# Altium PCB Tigershark 3D R2.1.PcbDoc (part 3 of 4) (continued)
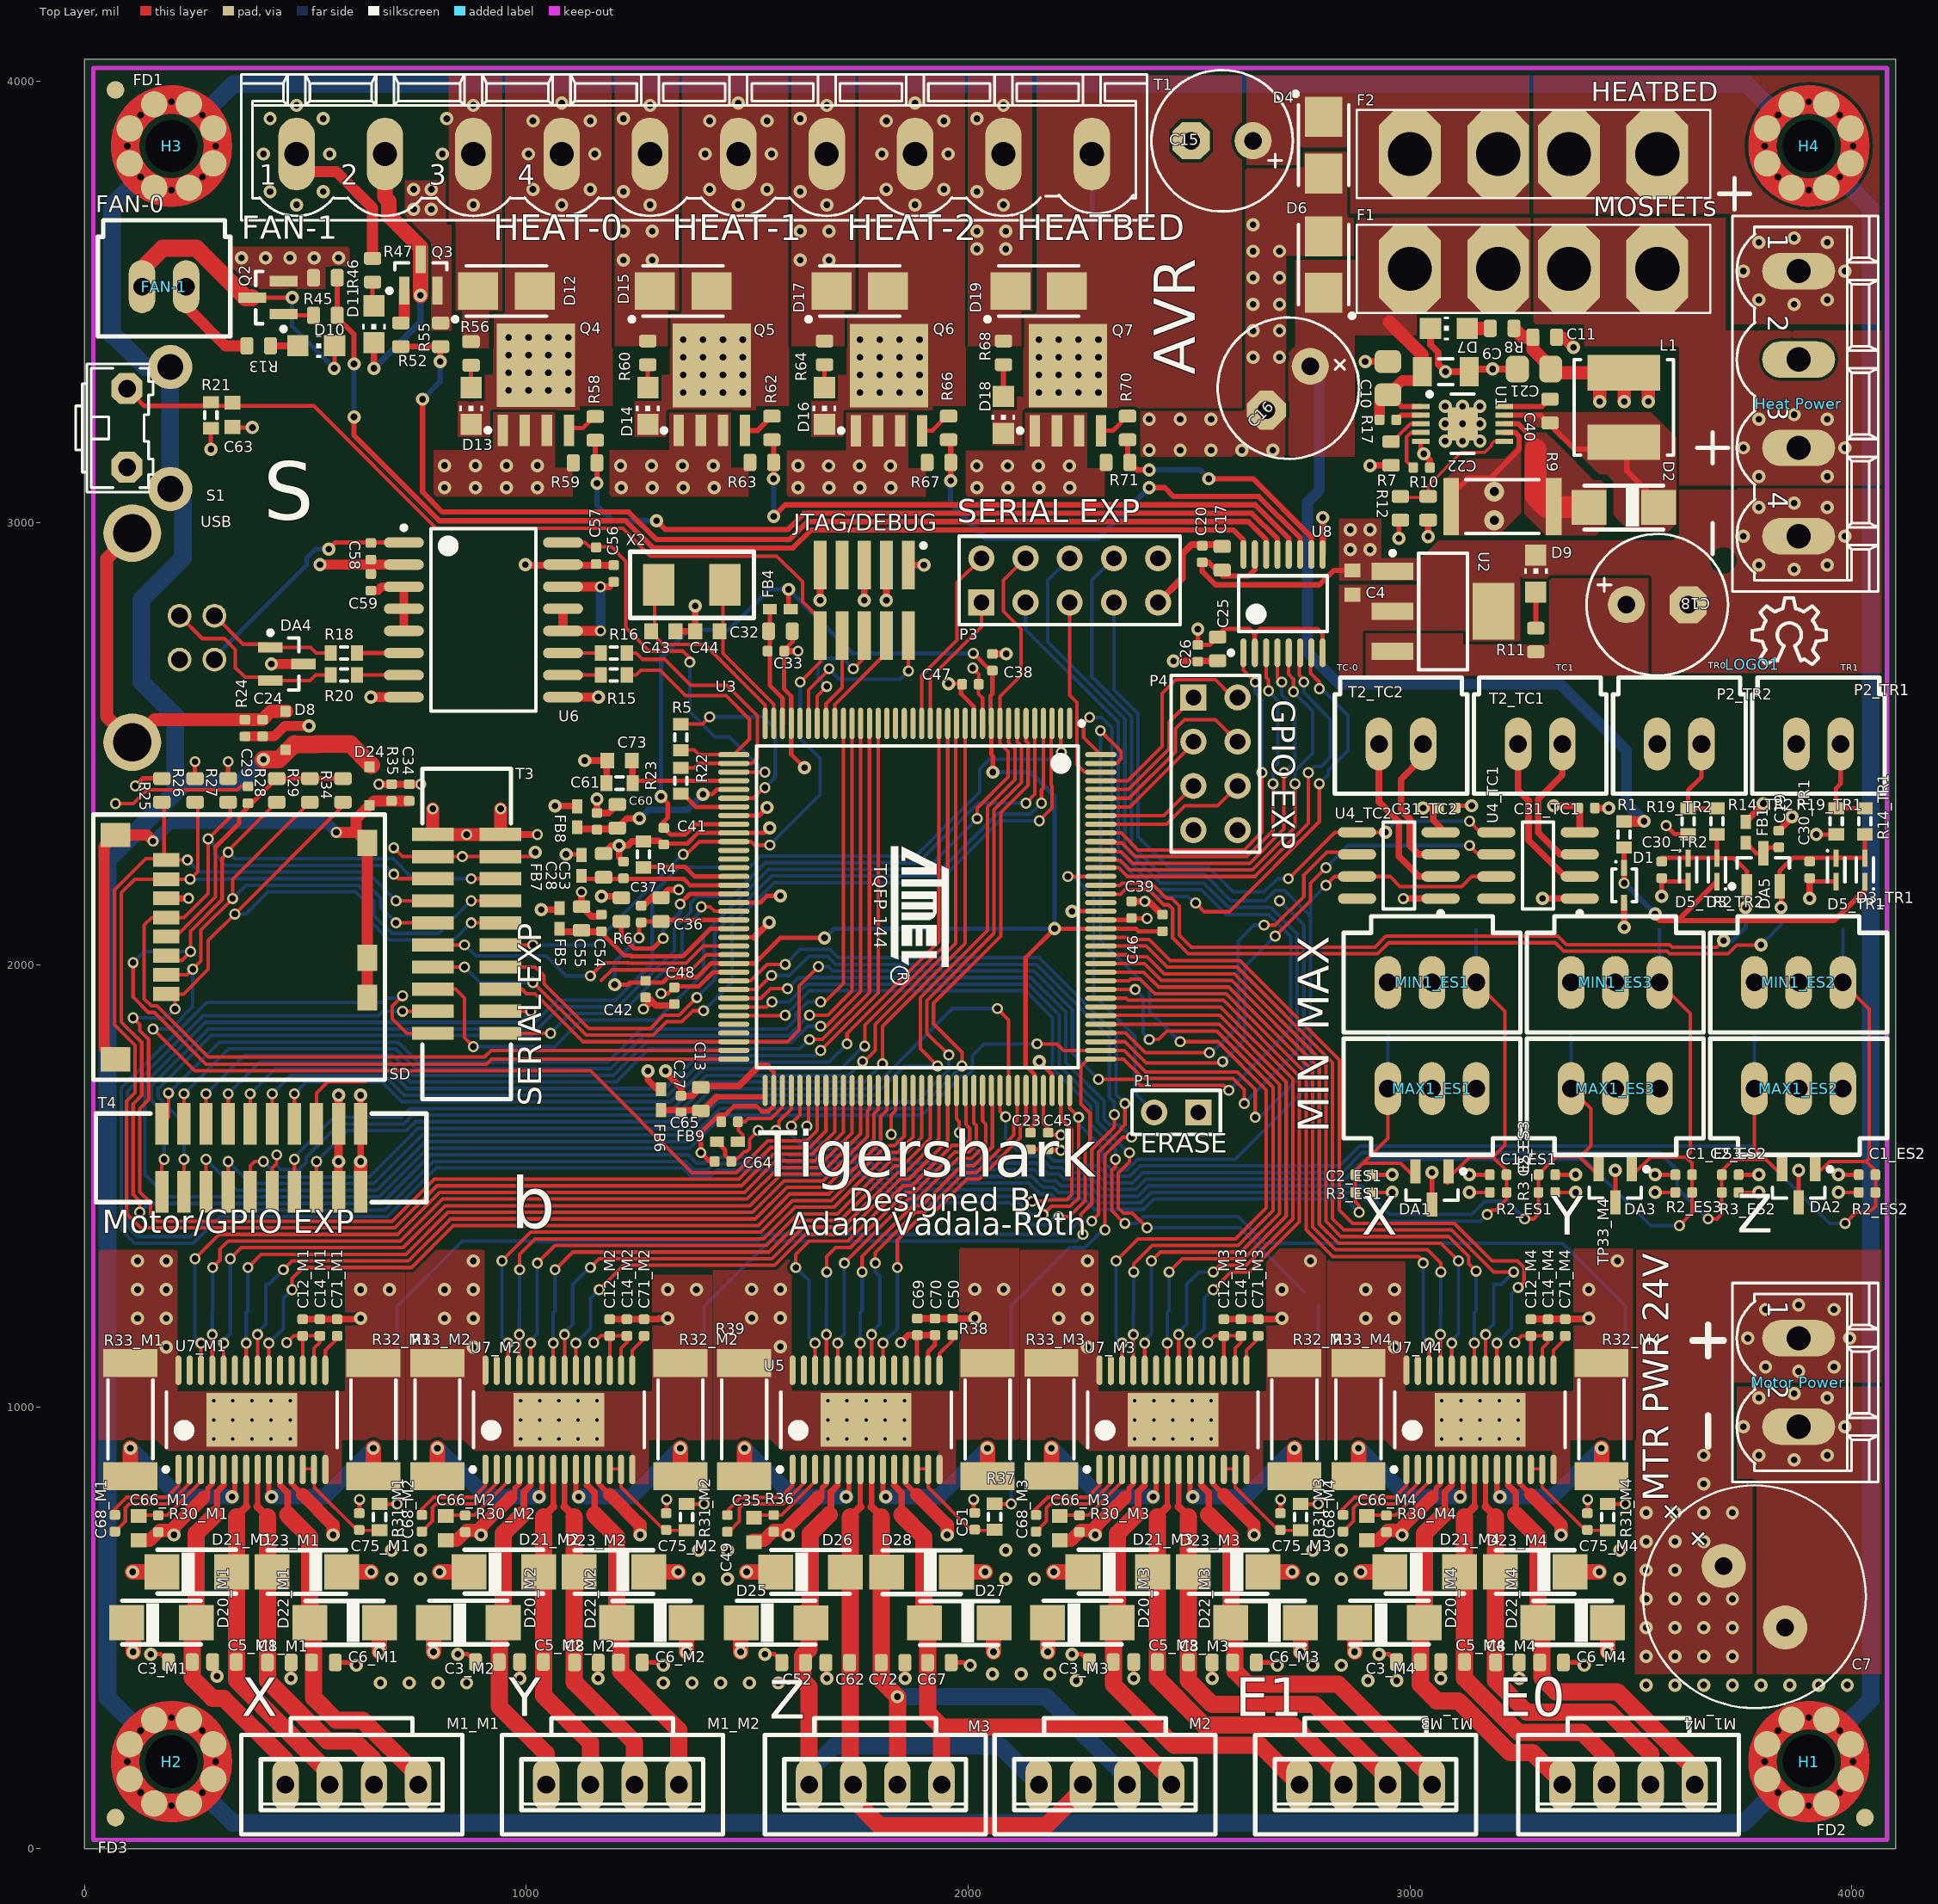
[diagram p0: Top Layer view]
## Nets (pads, with @x,y where several pads share a name; then routed paths per layer and width w, separated by ;. In a path a pad name is that pad's centre, name@x,y a point inside that pad or via, vN(x,y) a via of type N, cw(c..) or ccw(c..) an arc to the next point about the centre after c; other vN are vias at no path point) (continued)
  Top Layer w8: T4.5@275,1486.46 v2(275,1560) ; v2(1986.1,1771.1) 1986.1,1801.71 1921.71,1866.1 1921.71,1913.07 2073.86,2065.22 2073.86,2344.61 2136,2406.76 2136,2501.2 2131.06,2506.14 U3.6@2131.06,2546.46
  Bottom Layer w8: v2(275,1560) 345,1490 366.44,1490 661.07,1490 771.07,1600 1363.79,1600 1438.5,1674.71 1889.71,1674.71 v2(1986.1,1771.1)
MODE2_EXP2: T4.6 U3.25 | length 2290.3
  Top Layer w8: T4.6@275,1640 v2(275,1708.23) ; v2(1666.1,1861.1) 1678.68,1861.1 1757.05,1939.47 U3.25@1757.05,2546.46
  Bottom Layer w8: v2(275,1708.23) 361.77,1795 697.57,1795 742.57,1750 1197.02,1750 1271.73,1824.71 1600.37,1824.71 1636.76,1861.1 v2(1666.1,1861.1)
MOSI: P3.6 T3.2 TP8.1 U3.109 | length 5955.3
  Top Layer w8: v2@715,1935 715,1925 696.5,1906.5 696.5,1878.5 730,1845 T3.2@788.23,1845 ; v2(2205,1430) 2228.79,1430 2265,1466.21 2265,1531.63 2265,1588.37 2276.1,1599.48 2276.1,1663.9 2255,1685 2255,1770 2271.61,1786.61 U3.109@2300.35,1786.61 2351.95,1786.61 2395.96,1742.6 2599.6,1742.6 2625,1717.2 v2(2625,1686.1)
  Bottom Layer w8: 705,1925 685,1925 675,1915 276.91,1915 83,1721.09 83,1400.79 113.79,1370 246.21,1370 306.21,1430 341.59,1430 685.92,1430 795.92,1540 1354.34,1540 1372.84,1521.5 1417.16,1521.5 1430.66,1535 1566.36,1535 1577.86,1523.5 1766.5,1523.5 1828.54,1461.46 2094.1,1461.46 2144.05,1411.5 2179.73,1411.5 2198.23,1430 v2(2205,1430) ; P3.6@2230,2920 2180,2870 2180,2730.66 2355,2555.66 2355,2265 2435,2185 2533.79,2185 2588.79,2130 2685,2130 2745,2070 2745,1806.1 v2(2625,1686.1) v2@2625,1686.21
  other v2: 720,1930
NetC3_M1_1: C3_M1.1 D20_M1.A M1_M1.4 U7_M1.5 | length 840.6
  Top Layer w12: 314.76,822.28 U7_M1.5@314.76,859.06
  Top Layer w15: 295.74,755.74 299.5,759.5 299.5,807.02 314.76,822.28
  Top Layer w39: 295.74,755.74 252.74,712.74 252.74,546.26 243.74,537.26 243.74,386.26 290,340 315,340 455,200 M1_M1.4@455,150
NetC3_M2_1: C3_M2.1 D20_M2.A M1_M2.4 U7_M2.5 | length 787.5
  Top Layer w12: 1009.76,822.28 U7_M2.5@1009.76,859.06
  Top Layer w15: 990.74,755.74 994.5,759.5 994.5,807.02 1009.76,822.28
  Top Layer w39: 990.74,755.74 947.74,712.74 947.74,546.26 938.74,537.26 938.74,321.26 1045,215 M1_M2.4@1045,145
NetC3_M3_1: C3_M3.1 D20_M3.A M1_M3.4 U7_M3.5 | length 1032.2
  Top Layer w12: 2399.76,822.28 U7_M3.5@2399.76,859.06
  Top Layer w15: 2380.74,755.74 2384.5,759.5 2384.5,807.02 2399.76,822.28
  Top Layer w39: 2380.74,755.74 2337.74,712.74 2337.74,546.26 2328.74,537.26 2328.74,371.26 2466,234 2661,234 M1_M3.4@2750,145
NetC3_M4_1: C3_M4.1 D20_M4.A M1_M4.4 U7_M4.5 | length 930.1
  Top Layer w12: 3094.76,822.28 U7_M4.5@3094.76,859.06
  Top Layer w15: 3075.74,755.74 3079.5,759.5 3079.5,807.02 3094.76,822.28
  Top Layer w39: 3075.74,755.74 3032.74,712.74 3032.74,546.26 3023.74,537.26 3023.74,371.31 3060.7,334.36 3109.36,334.36 3226.71,217 3278,217 M1_M4.4@3345,150
NetC5_M1_1: C5_M1.1 D21_M1.A M1_M1.3 U7_M1.7 | length 788.7
  Top Layer w12: 365.94,773.46 U7_M1.7@365.94,859.06
  Top Layer w18: 343.74,751.26 365.94,773.46
  Top Layer w39: 343.74,751.26 343.74,381.26 550,175 M1_M1.3@550,165
NetC5_M2_1: C5_M2.1 D21_M2.A M1_M2.3 U7_M2.7 | length 767.3
  Top Layer w12: 1060.94,773.46 U7_M2.7@1060.94,859.06
  Top Layer w18: 1038.74,751.26 1060.94,773.46
  Top Layer w39: 1038.74,751.26 1038.74,346.26 1145,240 M1_M2.3@1145,145
NetC5_M3_1: C5_M3.1 D21_M3.A M1_M3.3 U7_M3.7 | length 1015.6
  Top Layer w12: 2450.94,773.46 U7_M3.7@2450.94,859.06
  Top Layer w18: 2428.74,751.26 2450.94,773.46
  Top Layer w39: 2428.74,751.26 2428.74,385.03 2533.77,280 2735,280 2850,165 M1_M3.3@2850,145
NetC5_M4_1: C5_M4.1 D21_M4.A M1_M4.3 U7_M4.7 | length 935.8
  Top Layer w12: 3145.94,773.46 U7_M4.7@3145.94,859.06
  Top Layer w18: 3123.74,751.26 3145.94,773.46
  Top Layer w39: 3123.74,751.26 3123.74,385.03 3245.77,263 3390,263 3445,208 M1_M4.3@3445,150
NetC6_M1_1: C6_M1.1 D22_M1.A M1_M1.1 U7_M1.10 | length 873.6
  Top Layer w12: 442.72,822.28 U7_M1.10@442.72,859.06
  Top Layer w15: 442.72,822.28 459.74,805.26 459.74,755.26
  Top Layer w39: 459.74,755.26 509.74,705.26 509.74,546.26 518.74,537.26 518.74,341.26 570,290 630.05,290 755,165.05 M1_M1.1@755,150
NetC6_M2_1: C6_M2.1 D22_M2.A M1_M2.1 U7_M2.10 | length 799.9
  Top Layer w12: 1137.72,822.28 U7_M2.10@1137.72,859.06
  Top Layer w15: 1137.72,822.28 1154.74,805.26 1154.74,755.26
  Top Layer w39: 1154.74,755.26 1204.74,705.26 1204.74,546.26 1213.74,537.26 1213.74,399.95 1345,268.69 M1_M2.1@1345,145
NetC6_M3_1: C6_M3.1 D22_M3.A M1_M3.1 U7_M3.10 | length 1050.2
  Top Layer w12: 2527.72,822.28 U7_M3.10@2527.72,859.06
  Top Layer w15: 2527.72,822.28 2544.74,805.26 2544.74,755.26
  Top Layer w39: 2544.74,755.26 2594.74,705.26 2594.74,546.26 2603.74,537.26 2603.74,401.72 2633.46,372 2838,372 3050,160 M1_M3.1@3050,145
NetC6_M4_1: C6_M4.1 D22_M4.A M1_M4.1 U7_M4.10 | length 966
  Top Layer w12: 3222.72,822.28 U7_M4.10@3222.72,859.06
  Top Layer w15: 3222.72,822.28 3239.74,805.26 3239.74,755.26
  Top Layer w39: 3239.74,755.26 3289.74,705.26 3289.74,546.26 3298.74,537.26 3298.74,386.26 3330,355 3470,355 3645,180 M1_M4.1@3645,150
NetC8_M1_1: C8_M1.1 D23_M1.A M1_M1.2 U7_M1.8 | length 854
  Top Layer w12: 391.54,773.46 U7_M1.8@391.54,859.06
  Top Layer w18: 391.54,773.46 413.74,751.26
  Top Layer w39: 413.74,751.26 413.74,380.08 549.82,244 611,244 655,200 M1_M1.2@655,150
NetC8_M2_1: C8_M2.1 D23_M2.A M1_M2.2 U7_M2.8 | length 779.7
  Top Layer w12: 1086.54,773.46 U7_M2.8@1086.54,859.06
  Top Layer w18: 1086.54,773.46 1108.74,751.26
  Top Layer w39: 1108.74,751.26 1108.74,376.26 1245,240 M1_M2.2@1245,145
NetC8_M3_1: C8_M3.1 D23_M3.A M1_M3.2 U7_M3.8 | length 1045.6
  Top Layer w12: 2476.54,773.46 U7_M3.8@2476.54,859.06
  Top Layer w18: 2476.54,773.46 2498.74,751.26
  Top Layer w39: 2498.74,751.26 2498.74,380.08 2552.82,326 2784,326 2950,160 M1_M3.2@2950,145
NetC8_M4_1: C8_M4.1 D23_M4.A M1_M4.2 U7_M4.8 | length 972.8
  Top Layer w12: 3171.54,773.46 U7_M4.8@3171.54,859.06
  Top Layer w18: 3171.54,773.46 3193.74,751.26
  Top Layer w39: 3193.74,751.26 3193.74,380.08 3264.82,309 3450.95,309 3545,214.95 M1_M4.2@3545,150
NetC19_2: C19.2 DA5.3 FB1.1 | length 90.6
  Top Layer w10: FB1.1@3760,2276.38 3783.98,2252.4 DA5.3@3800,2252.4 3813.6,2266 C19.2@3835,2266
NetC22_1: C22.1 U1.4 | length 112
  Top Layer w8: C22.1@3007.3,3125 2992.52,3139.78 2992.52,3194.29 3002.97,3204.74 U1.4@3024.83,3204.74
NetC24_2: C24.2 D8.A R24.2 USB.5 USB.6 | length 900.4
  Top Layer w30: USB.5@108,2977.01 50,2919.01 50,2561.79 USB.6@108,2503.79 159,2554.79 R24.2@363,2554.79 C24.2@403,2554.79 422.31,2574.1 D8.A@458,2574.1
NetC34_2: C34.2 D24.A R35.2 SD.9 SD.10 SD.11 SD.12 SD.13 | length 1653
  Top Layer w25: SD.9@70,1786 44.5,1811.5 44.5,2268.5 SD.10@70,2294 141,2294 v2(155,2280) ; v2(570,2300) 614,2300 615,2301 ; SD.11@633,1933 640,1940 SD.12@640,2016 SD.13@640,2276 615,2301 ; C34.2@735,2371 R35.2@695,2371 655,2371 615,2331 615,2301
  Bottom Layer w25: v2(155,2280) 195,2320 550,2320 v2(570,2300)
NetC35_2: C35.2 R36.1 U5.3 | length 201.8
  Top Layer w8: C35.2@1512.51,752.53 1514.95,754.97 1577.81,754.97 1653.61,830.77 U5.3@1653.61,859.02
NetC40_1: C40.1 U1.10 | length 93.4
  Top Layer w12: U1.10@3213.8,3263.8 3298.8,3263.8 C40.1@3304.77,3269.77
NetC40_2: C40.2 D2.C L1.1 U1.9 | length 475.6
  Top Layer w12: U1.9@3213.8,3244.11 3295.12,3244.11 3323,3216.23 3371.97,3167.26 3491,3167.26 3491,3117.74 D2.C@3573.74,3035
NetC43_2: C43.2 U3.36 X2.1 | length 476.4
  Top Layer w8: X2.1@1300,2860 1290,2850 1290,2745 1310,2725 1403.79,2725 1540.51,2588.27 U3.36@1540.51,2546.46
NetC44_2: C44.2 U3.35 X2.2 | length 376.3
  Top Layer w8: X2.2@1445,2875 1445,2705 1560.2,2589.8 U3.35@1560.2,2546.46
NetC49_1: C49.1 U5.1 | length 218.5
  Top Layer w8: C49.1@1457.51,753.67 1457.51,767.76 1484.72,794.97 1575.39,794.97 1602.43,822.01 U5.1@1602.43,859.02
NetC49_2: C49.2 U5.2 | length 266.8
  Top Layer w8: C49.2@1457.51,715.97 1482.51,740.97 1482.51,771.55 1490.93,779.97 1581.6,779.97 1628.02,826.39 U5.2@1628.02,859.02
NetC50_2: C50.2 U5.15 | length 91.1
  Top Layer w8: U5.15@1935.34,1083.2 1935.34,1120.34 1965,1150 C50.2@1965,1162
NetC51_2: C51.2 R37.1 U5.12 U5.13 | length 255
  Top Layer w7: U5.12@1883.93,859.02 1909.52,859.02 1909.52,817.96 2007.04,720.44 R37.1@2057.51,720.44
NetC52_1: C52.1 D25.A M2.4 M3.4 U5.5 | length 1349.6
  Top Layer w12: 1704.8,822.25 U5.5@1704.8,859.02
  Top Layer w15: 1689.53,759.47 1689.53,806.99 1704.8,822.25
  Top Layer w39: D25.A@1633.77,537.23 1640,531 1640,451.09 1625,436.09 1625,381.31 1640,366.31 M3.4@1640,145 ; D25.A@1642.77,546.23 1642.77,712.71 1685.77,755.71
  Bottom Layer w39: M3.4@1640,145 1640,175 1696.5,231.5 2073.5,231.5 M2.4@2160,145
NetC56_2: C56.2 U6.12 U6.13 U6.14 | length 355.3
  Top Layer w15: v2(1168,2855.79) 1188,2855.79 C56.2@1199,2866.79
  Top Layer w22: U6.13@1083.12,2805.79 U6.12@1083.12,2755.79 v2(1168,2755.79) ; U6.14@1083.12,2855.79 v2(1168,2855.79)
  Bottom Layer w22: v2(1168,2755.79) v2(1168,2855.79)
NetC58_2: C58.2 U6.1 USB.1 | length 546
  Top Layer w10: v1(553,2940.79) 568,2955.79 U6.1@722.88,2955.79
  Bottom Layer w10: USB.1@294,2695.79 503,2904.79 503,2920.79 523,2940.79 v1(553,2940.79)
NetC59_2: C59.2 U6.3 U6.4 U6.5 | length 178.6
  Top Layer w20: C59.2@648,2846.79 664,2846.79 673,2855.79 U6.3@722.88,2855.79 U6.4@722.88,2805.79 U6.5@722.88,2755.79
NetC62_1: C62.1 D26.A M2.3 M3.3 U5.7 | length 1348.7
  Top Layer w12: 1755.98,773.43 U5.7@1755.98,859.02
  Top Layer w18: 1733.77,751.23 1755.98,773.43
  Top Layer w39: 1733.77,751.23 1733.77,151.23 M3.3@1740,145 1740,111.5 1800,51.5 2176.4,51.5 2260,135.1 M2.3@2260,145
NetC66_M1_2: C66_M1.2 R30_M1.1 U7_M1.3 | length 201.8
  Top Layer w8: C66_M1.2@122.48,752.56 124.92,755 187.78,755 263.58,830.8 U7_M1.3@263.58,859.06
NetC66_M2_2: C66_M2.2 R30_M2.1 U7_M2.3 | length 201.8
  Top Layer w8: C66_M2.2@817.48,752.56 819.92,755 882.78,755 958.58,830.8 U7_M2.3@958.58,859.06
NetC66_M3_2: C66_M3.2 R30_M3.1 U7_M3.3 | length 201.8
  Top Layer w8: C66_M3.2@2207.48,752.56 2209.92,755 2272.78,755 2348.58,830.8 U7_M3.3@2348.58,859.06
NetC66_M4_2: C66_M4.2 R30_M4.1 U7_M4.3 | length 201.8
  Top Layer w8: C66_M4.2@2902.48,752.56 2904.92,755 2967.78,755 3043.58,830.8 U7_M4.3@3043.58,859.06
NetC67_1: C67.1 D27.A M2.1 M3.1 U5.10 | length 1338.1
  Top Layer w12: 1832.75,822.25 U5.10@1832.75,859.02
  Top Layer w15: 1832.75,822.25 1849.77,805.23 1849.77,755.23
  Top Layer w39: 1849.77,755.23 1899.77,705.23 1899.77,546.23 1908.77,537.23 1908.77,306.23 1940,275 ; M3.1@1940,145 1940,275 ; M2.1@2460,145 2460,154.9 2339.9,275 1940,275
NetC68_M1_1: C68_M1.1 U7_M1.1 | length 218.5
  Top Layer w8: C68_M1.1@67.48,753.7 67.48,767.79 94.69,795 185.36,795 212.4,822.05 U7_M1.1@212.4,859.06
NetC68_M1_2: C68_M1.2 U7_M1.2 | length 266.8
  Top Layer w8: C68_M1.2@67.48,716 92.48,741 92.48,771.58 100.9,780 191.57,780 237.99,826.42 U7_M1.2@237.99,859.06
NetC68_M2_1: C68_M2.1 U7_M2.1 | length 218.5
  Top Layer w8: C68_M2.1@762.48,753.7 762.48,767.79 789.69,795 880.36,795 907.4,822.05 U7_M2.1@907.4,859.06
NetC68_M2_2: C68_M2.2 U7_M2.2 | length 266.8
  Top Layer w8: C68_M2.2@762.48,716 787.48,741 787.48,771.58 795.9,780 886.57,780 932.99,826.42 U7_M2.2@932.99,859.06
NetC68_M3_1: C68_M3.1 U7_M3.1 | length 218.5
  Top Layer w8: C68_M3.1@2152.48,753.7 2152.48,767.79 2179.69,795 2270.36,795 2297.4,822.05 U7_M3.1@2297.4,859.06
NetC68_M3_2: C68_M3.2 U7_M3.2 | length 266.8
  Top Layer w8: C68_M3.2@2152.48,716 2177.48,741 2177.48,771.58 2185.9,780 2276.57,780 2322.99,826.42 U7_M3.2@2322.99,859.06
NetC68_M4_1: C68_M4.1 U7_M4.1 | length 218.5
  Top Layer w8: C68_M4.1@2847.48,753.7 2847.48,767.79 2874.69,795 2965.36,795 2992.4,822.05 U7_M4.1@2992.4,859.06
NetC68_M4_2: C68_M4.2 U7_M4.2 | length 266.8
  Top Layer w8: C68_M4.2@2847.48,716 2872.48,741 2872.48,771.58 2880.9,780 2971.57,780 3017.99,826.42 U7_M4.2@3017.99,859.06
NetC71_M1_2: C71_M1.2 U7_M1.15 | length 88.9
  Top Layer w8: U7_M1.15@545.08,1083.46 545.08,1127.6 572.48,1155 C71_M1.2@572.48,1161
NetC71_M2_2: C71_M2.2 U7_M2.15 | length 88.9
  Top Layer w8: U7_M2.15@1240.08,1083.46 1240.08,1127.6 1267.48,1155 C71_M2.2@1267.48,1161
NetC71_M3_2: C71_M3.2 U7_M3.15 | length 88.9
  Top Layer w8: U7_M3.15@2630.08,1083.46 2630.08,1127.6 2657.48,1155 C71_M3.2@2657.48,1161
NetC71_M4_2: C71_M4.2 U7_M4.15 | length 88.9
  Top Layer w8: U7_M4.15@3325.08,1083.46 3325.08,1127.6 3352.48,1155 C71_M4.2@3352.48,1161
NetC72_1: C72.1 D28.A M2.2 M3.2 U5.8 | length 1349.4
  Top Layer w12: 1781.57,773.43 U5.8@1781.57,859.02
  Top Layer w18: 1781.57,773.43 1803.77,751.23
  Top Layer w39: 1803.77,751.23 1803.77,380.05 v1(1840,343.82) M3.2@1840,145
  Bottom Layer w39: v1(1840,343.82) 1840.35,343.47 2176.53,343.47 2360,160 M2.2@2360,145
NetC73_2: C73.2 R23.2 U3.40 | length 278.5
  Top Layer w10: C73.2@1232.56,2462.32 C73.2@1240,2454.88 ; R23.2@1240,2416.54 U3.40@1469.65,2416.54
  Top Layer w15: R23.2@1240,2416.54 C73.2@1240,2454.88
NetC75_M1_2: C75_M1.2 R31_M1.1 U7_M1.12 U7_M1.13 | length 255
  Top Layer w7: U7_M1.12@493.9,859.06 519.49,859.06 519.49,817.99 617.01,720.47 R31_M1.1@667.48,720.47
NetC75_M2_2: C75_M2.2 R31_M2.1 U7_M2.12 U7_M2.13 | length 255
  Top Layer w7: U7_M2.12@1188.9,859.06 1214.49,859.06 1214.49,817.99 1312.01,720.47 R31_M2.1@1362.48,720.47
NetC75_M3_2: C75_M3.2 R31_M3.1 U7_M3.12 U7_M3.13 | length 255
  Top Layer w7: U7_M3.12@2578.9,859.06 2604.49,859.06 2604.49,817.99 2702.01,720.47 R31_M3.1@2752.48,720.47
NetC75_M4_2: C75_M4.2 R31_M4.1 U7_M4.12 U7_M4.13 | length 255
  Top Layer w7: U7_M4.12@3273.9,859.06 3299.49,859.06 3299.49,817.99 3397.01,720.47 R31_M4.1@3447.48,720.47
NetD2_A: D2.A R9.2 U1.8 | length 326.9
  Top Layer w12: U1.8@3213.8,3224.43 3245.67,3224.43 3284.88,3185.22 3284.88,3166
  Top Layer w50: 3284.88,3166 3284.88,3061.26 R9.2@3310.14,3036 ; R9.2@3325.14,3036 D2.A@3405,3036
NetD7_A: D7.A R8.1 | length 51.9
  Top Layer w30: D7.A@3130.1,3440.43 R8.1@3182,3440.43
NetD9_A: D9.A R11.1 | length 81.9
  Top Layer w12: R11.1@3285,2761.77 D9.A@3285,2843.66
NetD10_A: D10.A R13.1 | length 61.9
  Top Layer w15: R13.1@420.77,3401 D10.A@482.66,3401
NetD10_C: D10.C FAN-1.2 Q2.3 | length 738.3
  Top Layer w10: FAN-1.2@125,3495 FAN-1.2@125,3570 ; Q2.3@379.57,3510 v1(470,3510) ; v1(565,3350) 566,3351 D10.C@566,3401
  Top Layer w39: FAN-1.2@125,3570 176.5,3621.5 253.4,3621.5 364.9,3510 Q2.3@379.57,3510
  Bottom Layer w10: v1(470,3510) 470,3445 v1(565,3350)
NetD11_A: D11.A R47.1 | length 55.1
  Top Layer w10: R47.1@652,3545.23 652,3494.34 D11.A@655,3491.34
NetD11_C: D11.C Q3.3 T1.2 | length 595.2
  Top Layer w15: v1(655,3350) D11.C@655,3408
  Top Layer w35: T1.2@680,3810 680,3737.33 689,3728.33 689,3696 761,3624 Q3.3@761,3596.43 761,3515.4 v1@760.6,3515
  Bottom Layer w15: v1(655,3350) 760,3455 v1(760,3515)
NetD12_1: D12.1 D13.C Q4.5 T1.4 TP11.1
  other v1: 960,3300 1005,3300 1050,3300 1095,3300 960,3340 1005,3340 1050,3340 1095,3340 960,3380 1005,3380 1050,3380 1095,3380 960,3420 1005,3420 1050,3420 1095,3420 1080,3720 1015,3755 1145,3755 1005,3835 1155,3835 1015,3910 1145,3910 1080,3950
NetD13_A: D13.A R56.1 | length 50.5
  Top Layer w10: D13.A@875,3306.34 R56.1@875,3356.87
NetD14_A: D14.A R60.1 | length 51.9
  Top Layer w10: D14.A@1275,3306.34 R60.1@1275,3358.23
NetD14_C: D14.C D15.1 Q5.5 T1.6 TP12.1
  other v1: 1355,3295 1400,3295 1445,3295 1490,3295 1355,3335 1400,3335 1445,3335 1490,3335 1355,3375 1400,3375 1445,3375 1490,3375 1355,3415 1400,3415 1445,3415 1490,3415 1480,3720 1415,3755 1545,3755 1405,3835 1555,3835 1415,3910 1545,3910 1480,3950
NetD16_A: D16.A R64.1 | length 51.9
  Top Layer w10: D16.A@1675,3306.34 R64.1@1675,3358.23
NetD16_C: D16.C D17.1 Q6.5 T1.8 TP13.1
  other v1: 1755,3295 1800,3295 1845,3295 1890,3295 1755,3335 1800,3335 1845,3335 1890,3335 1755,3375 1800,3375 1845,3375 1890,3375 1755,3415 1800,3415 1845,3415 1890,3415 1880,3720 1815,3755 1945,3755 1805,3835 1955,3835 1815,3910 1945,3910 1880,3950
NetD18_A: D18.A R68.1 | length 52
  Top Layer w12: D18.A@2080,3289.72 2080,3341.69
NetD18_C: D18.C D19.1 Q7.5 T1.10 TP14.1 | length 141.3
  Bottom Layer w10: TP14.1@2281,3666 T1.10@2281,3807.32
  other v1: 2160,3295 2205,3295 2250,3295 2295,3295 2160,3335 2205,3335 2250,3335 2295,3335 2160,3375 2205,3375 2250,3375 2295,3375 2160,3415 2205,3415 2250,3415 2295,3415
NetF1_1: "Heat Power.3" F1.1
  other v1: 3790,3105 3945,3105 3755,3170 3985,3170 3790,3235 3945,3235 3870,3245
NetF2_1: "Heat Power.1" F2.1
  other v1: 3870,3495 3790,3505 3945,3505 3755,3570 3985,3570 3790,3635 3945,3635 3870,3645
NetP2_TR1_1: P2_TR1.1 R14_TR1.2 R19_TR1.1 | length 214.6
  Top Layer w10: P2_TR1.1@3975,2500 3975,2410 3965,2400 R19_TR1.1@3965,2354.53 R14_TR1.2@4030,2354.53
NetP2_TR2_1: P2_TR2.1 R14_TR2.2 R19_TR2.1 | length 222.9
  Top Layer w10: P2_TR2.1@3660,2500 3660,2425 3630,2395 R19_TR2.1@3630,2354.53 R14_TR2.2@3695,2354.53
NetQ2_1: Q2.1 R45.2 | length 68.9
  Top Layer w10: Q2.1@450.43,3472.6 453.03,3470 R45.2@518.23,3470
NetQ3_1: Q3.1 R52.2 | length 73.2
  Top Layer w25: R52.2@716,3455.53 723.6,3463.13 Q3.1@723.6,3525.57
NetQ4_4: Q4.4 R58.2 | length 73.2
  Top Layer w10: Q4.4@1096.5,3209.66 1101.36,3214.53 1127.75,3214.53 R58.2@1156,3242.77
NetQ5_4: Q5.4 R62.2 | length 74.5
  Top Layer w12: Q5.4@1495,3209.28 1523.5,3209.28 R62.2@1556,3241.77
NetQ6_4: Q6.4 R66.2 | length 72.4
  Top Layer w10: Q6.4@1896,3208.85 1918.85,3208.85 R66.2@1953.89,3243.89
NetQ7_4: Q7.4 R70.2 | length 73.6
  Top Layer w10: Q7.4@2301,3208.85 2328.08,3208.85 R70.2@2361,3241.77
NetR4_1: R4.1 U3.51 | length 223.6
  Top Layer w10: R4.1@1255,2221.57 1359.53,2221.57 1381.1,2200 U3.51@1469.65,2200
NetR5_2: R5.2 U3.42 | length 454.8
  Top Layer w8: R5.2@1350,2545.16 1399.06,2545.16 v2(1415,2561.1) ; U3.42@1469.65,2377.17 1514.29,2377.17 v2@1540,2402.87
  Bottom Layer w8: v2(1415,2561.1) 1536.1,2561.1 1563.5,2533.7 1563.5,2426.37 1562.5,2425.37 1562.5,2423.6 v2(1540,2401.1)
NetR6_1: R6.1 U3.53 | length 367.9
  Top Layer w10: R6.1@1215,2093.23 1215,2066.46 1244.85,2036.6 1286.6,2036.6 v2(1310,2060) ; v2@1348.32,2138.67 1370.28,2160.63 U3.53@1469.65,2160.63
  Bottom Layer w10: v2(1310,2060) 1310,2080 1348.32,2118.32 v2(1348.32,2137.77)
NetR7_1: R7.1 U1.3 | length 76.4
  Top Layer w8: R7.1@2961.84,3192.14 2969.14,3192.14 3001.43,3224.43 U1.3@3024.83,3224.43
NetR10_2: R10.2 R12.1 U1.6 | length 291.8
  Top Layer w7: R12.1@2977.36,3057.6 R10.2@3033.45,3057.6 ; R10.2@3041,3065.15 3041,3084 3116.56,3159.56 3169.25,3159.56 3184.18,3174.49 3184.18,3178.18 3191.06,3185.06 U1.6@3213.8,3185.06
NetR17_1: R17.1 U1.2 | length 56.9
  Top Layer w12: R17.1@2971.68,3235.05 2980.73,3244.11 U1.2@3024.83,3244.11
NetR22_2: R22.2 U3.43 | length 129.5
  Top Layer w10: R22.2@1353.05,2388.52 1384.09,2357.48 U3.43@1469.65,2357.48
NetR32_M1_2: R32_M1.2 U7_M1.9 | length 404.1
  Top Layer w12: U7_M1.9@417.13,859.06 417.13,802.87 v1(423.74,796.26)
  Top Layer w35: R32_M1.2@653.74,843.31 v1(653.74,906.26)
  Bottom Layer w35: v1(423.74,796.26) 543.74,796.26 v1(653.74,906.26)
NetR32_M2_2: R32_M2.2 U7_M2.9 | length 404.1
  Top Layer w12: U7_M2.9@1112.13,859.06 1112.13,802.87 v1(1118.74,796.26)
  Top Layer w35: R32_M2.2@1348.74,843.31 v1(1348.74,906.26)
  Bottom Layer w35: v1(1118.74,796.26) 1238.74,796.26 v1(1348.74,906.26)
NetR32_M3_2: R32_M3.2 U7_M3.9 | length 404.1
  Top Layer w12: U7_M3.9@2502.13,859.06 2502.13,802.87 v1(2508.74,796.26)
  Top Layer w35: R32_M3.2@2738.74,843.31 v1(2738.74,906.26)
  Bottom Layer w35: v1(2508.74,796.26) 2628.74,796.26 v1(2738.74,906.26)
NetR32_M4_2: R32_M4.2 U7_M4.9 | length 404.1
  Top Layer w12: U7_M4.9@3197.13,859.06 3197.13,802.87 v1(3203.74,796.26)
  Top Layer w35: R32_M4.2@3433.74,843.31 v1(3433.74,906.26)
  Bottom Layer w35: v1(3203.74,796.26) 3323.74,796.26 v1(3433.74,906.26)
NetR33_M1_2: R33_M1.2 U7_M1.6 | length 404.1
  Top Layer w12: v1(333.74,796.26) 340.35,802.87 U7_M1.6@340.35,859.06
  Top Layer w35: R33_M1.2@103.74,843.31 v1(103.74,906.26)
  Bottom Layer w35: v1(103.74,906.26) 213.74,796.26 v1(333.74,796.26)
NetR33_M2_2: R33_M2.2 U7_M2.6 | length 404.1
  Top Layer w12: v1(1028.74,796.26) 1035.35,802.87 U7_M2.6@1035.35,859.06
  Top Layer w35: R33_M2.2@798.74,843.31 v1(798.74,906.26)
  Bottom Layer w35: v1(798.74,906.26) 908.74,796.26 v1(1028.74,796.26)
NetR33_M3_2: R33_M3.2 U7_M3.6 | length 404.1
  Top Layer w12: v1(2418.74,796.26) 2425.35,802.87 U7_M3.6@2425.35,859.06
  Top Layer w35: R33_M3.2@2188.74,843.31 v1(2188.74,906.26)
  Bottom Layer w35: v1(2188.74,906.26) 2298.74,796.26 v1(2418.74,796.26)
NetR33_M4_2: R33_M4.2 U7_M4.6 | length 404.1
  Top Layer w12: v1(3113.74,796.26) 3120.35,802.87 U7_M4.6@3120.35,859.06
  Top Layer w35: R33_M4.2@2883.74,843.31 v1(2883.74,906.26)
  Bottom Layer w35: v1(2883.74,906.26) 2993.74,796.26 v1(3113.74,796.26)
NetR38_2: R38.2 U5.9 | length 404.1
  Top Layer w12: U5.9@1807.16,859.02 1807.16,802.84 v1(1813.77,796.23)
  Top Layer w35: R38.2@2043.77,843.28 v1(2043.77,906.23)
  Bottom Layer w35: v1(1813.77,796.23) 1933.77,796.23 v1(2043.77,906.23)
NetR39_2: R39.2 U5.6 | length 404.1
  Top Layer w12: v1(1723.77,796.23) 1730.39,802.84 U5.6@1730.39,859.02
  Top Layer w35: R39.2@1493.77,843.28 v1(1493.77,906.23)
  Bottom Layer w35: v1(1493.77,906.23) 1603.77,796.23 v1(1723.77,796.23)
NetR45_1: R45.1 R46.1 TP41.1 U8.16 | length 2547.7
  Top Layer w12: R45.1@571.77,3465 610,3426.77 v1(610,3360) ; R45.1@571.77,3470 R46.1@571.77,3555 ; v1@605,3240 610,3235 610,3198.13 803.13,3005 1225,3005 1286.51,2943.49 1603.49,2943.49 1644,2984 2601,2984 2623.43,2961.57 U8.16@2623.43,2928.66
  Bottom Layer w12: v1(610,3240) TP41.1@610,3300 v1(610,3360)
NetR52_1: R52.1 R55.1 TP42.1 U8.14 | length 2458
  Top Layer w12: R52.1@716,3399.23 R55.1@806,3399.23 805,3398.23 v1(805,3365) ; v1(765,3280) 765,3070 810,3025 1231.87,3025 1294.38,2962.49 1595.62,2962.49 1636.13,3003 2634.52,3003 2674.61,2962.91 U8.14@2674.61,2928.66
  Bottom Layer w12: v1(765,3280) TP42.1@805,3320 v1(805,3365)
NetR58_1: R58.1 R59.1 TP48.1 U8.13 | length 1781.3
  Top Layer w12: R59.1@1156,3139.77 R58.1@1156,3187.23 ; R59.1@1159.77,3136 1160,3135.77 v1(1160,3090) ; v1(1295,3005) 1315,2985 1591.26,2985 1628.26,3022 2642.39,3022 2700.2,2964.19 U8.13@2700.2,2928.66
  Bottom Layer w12: v1(1160,3090) TP48.1@1160,3040 1195,3005 v1(1295,3005)
NetR62_1: R62.1 R63.1 TP49.1 U8.12 | length 1414.2
  Top Layer w12: v1(1559.77,3100) R63.1@1559.77,3137 R62.1@1559.77,3184.46 ; v1(1560,3015) 1586,3041 2650.26,3041 2725.8,2965.46 U8.12@2725.8,2928.66
  Bottom Layer w12: v1(1559.77,3100) 1559.77,3045.23 1560,3045 v1(1560,3015)
NetR66_1: R66.1 R67.1 TP50.1 U8.11 | length 1088.9
  Top Layer w12: v1(1960.77,3095.77) R67.1@1960.77,3137 R66.1@1960.77,3183.46 ; v1@2420,3080 2445,3080 2465,3060 2658.13,3060 2751.39,2966.74 U8.11@2751.39,2928.66
  Bottom Layer w12: v1(1960.77,3095.77) 1960,3095 TP50.1@1960,3045 2040,2965 2295,2965 2405,3075 v1@2415,3075
  other v1: 2410,3080
NetR70_1: R70.1 R71.1 TP51.1 U8.10 | length 573.8
  Top Layer w12: R70.1@2361,3188.23 2361,3141.77 R71.1@2365.77,3137 2382.77,3120 v1(2410,3120) ; v1(2545,3100) 2645,3100 2776.98,2968.02 U8.10@2776.98,2928.66
  Bottom Layer w12: v1(2410,3120) 2525,3120 v1(2545,3100)
NetT2_TC1_1: T2_TC1.1 U4_TC1.3 | length 337.6
  Top Layer w15: T2_TC1.1@3345,2500 3345,2429.49 3290.51,2375 3290.51,2299.49 3340,2250 U4_TC1.3@3384.49,2250
NetT2_TC1_2: T2_TC1.2 U4_TC1.2 | length 377.3
  Top Layer w15: T2_TC1.2@3245,2500 3245,2395.51 3268.51,2372 3268.51,2282.65 3351.16,2200 U4_TC1.2@3384.49,2200
NetT2_TC2_1: T2_TC2.1 U4_TC2.3 | length 336.8
  Top Layer w15: T2_TC2.1@3030,2500 3030,2470 2980,2420 2980,2350 3000,2330 3000,2270 3020,2250 U4_TC2.3@3069.49,2250
NetT2_TC2_2: T2_TC2.2 U4_TC2.2 | length 386.5
  Top Layer w15: T2_TC2.2@2930,2500 2930,2368.89 2975,2323.89 2975,2245.51 3020.51,2200 U4_TC2.2@3069.49,2200
NRST: U3.69
OVREF: D1.2 D3_TR1.2 D3_TR2.2 R1.1 TP2.1 | length 828.2
  Top Layer w12: v2(3485,2185) D1.2@3485,2219.37 R1.1@3485,2260 ; v1(3555,2115) 3555,2110 3565,2100 3960,2100 4030,2170 D3_TR1.2@4030,2188.43 ; 3608.29,2101.71 D3_TR2.2@3695,2188.43
  Bottom Layer w12: v2(3485,2185) TP2.1@3520,2150 v1(3555,2115)
R_N: DA4.1 R18.2 USB.2 | length 298.5
  Top Layer w8: USB.2@294,2790 358.31,2725.69 413.1,2725.69 DA4.1@420.6,2718.19 511.51,2718.19 523.91,2705.79 R18.2@557.59,2705.79
R_P: DA4.2 R20.2 USB.3 | length 432.3
  Top Layer w8: USB.3@215,2790 266.71,2738.29 316.51,2738.29 341.5,2713.29 341.5,2672.51 363.12,2650.89 413.1,2650.89 DA4.2@420.6,2643.39 510.6,2643.39 523,2655.79 R20.2@557.59,2655.79
REF1: R31_M1.2 TP33_M1.1 U3.63 | length 3580
  Top Layer w8: R31_M1.2@667.48,779.53 707.01,779.53 v4(707.48,780) ; U3.63@1469.65,1963.78 1507.68,1963.78 1545,2001.1 v2@1590,2001.1 ; v2(2280,1420) 2295,1435 2295,1544.05 2295,1575.95 2346.1,1627.05 2346.1,1629.89 2355,1638.79 v2(2355,1686.1)
  Bottom Layer w8: v4(707.48,780) 707.48,1227.52 855,1375 1525,1375 1540,1390 2220,1390 2250,1420 v2(2280,1420) ; v2(1586.1,2001.1) 1619.6,2034.6 1687.6,2034.6 1706.1,2016.1 2161.1,2016.1 2335,1842.2 2335,1707.06 2335.96,1706.1 2336.21,1706.1 2355,1687.32 v2(2355,1686.1)
REF2: R31_M2.2 TP33_M2.1 U3.64 | length 2855.1
  Top Layer w8: R31_M2.2@1362.48,779.53 1402.01,779.53 v4(1402.48,780) ; U3.64@1469.65,1944.09 1522.99,1944.09 v2(1555,1976.1) ; v2(2260,1390) 2260,1405 2255,1410 2255,1435 2280,1460 2280,1537.84 2280,1582.16 2331.1,1633.26 v2(2331.1,1661.1)
  Bottom Layer w8: v4(1402.48,780) 1402.48,1227.52 1550,1375 2245,1375 v2(2260,1390) ; v2(1555,1976.1) 1596.1,1976.1 1639.6,2019.6 1681.39,2019.6 1699.89,2001.1 2154.89,2001.1 2320,1835.99 2320,1700.84 2322.6,1698.24 2322.6,1697.29 2328.79,1691.1 2330,1691.1 2331.1,1690 v2(2331.1,1661.1)